# KiCad board tekskey.kicad_pcb (continued)
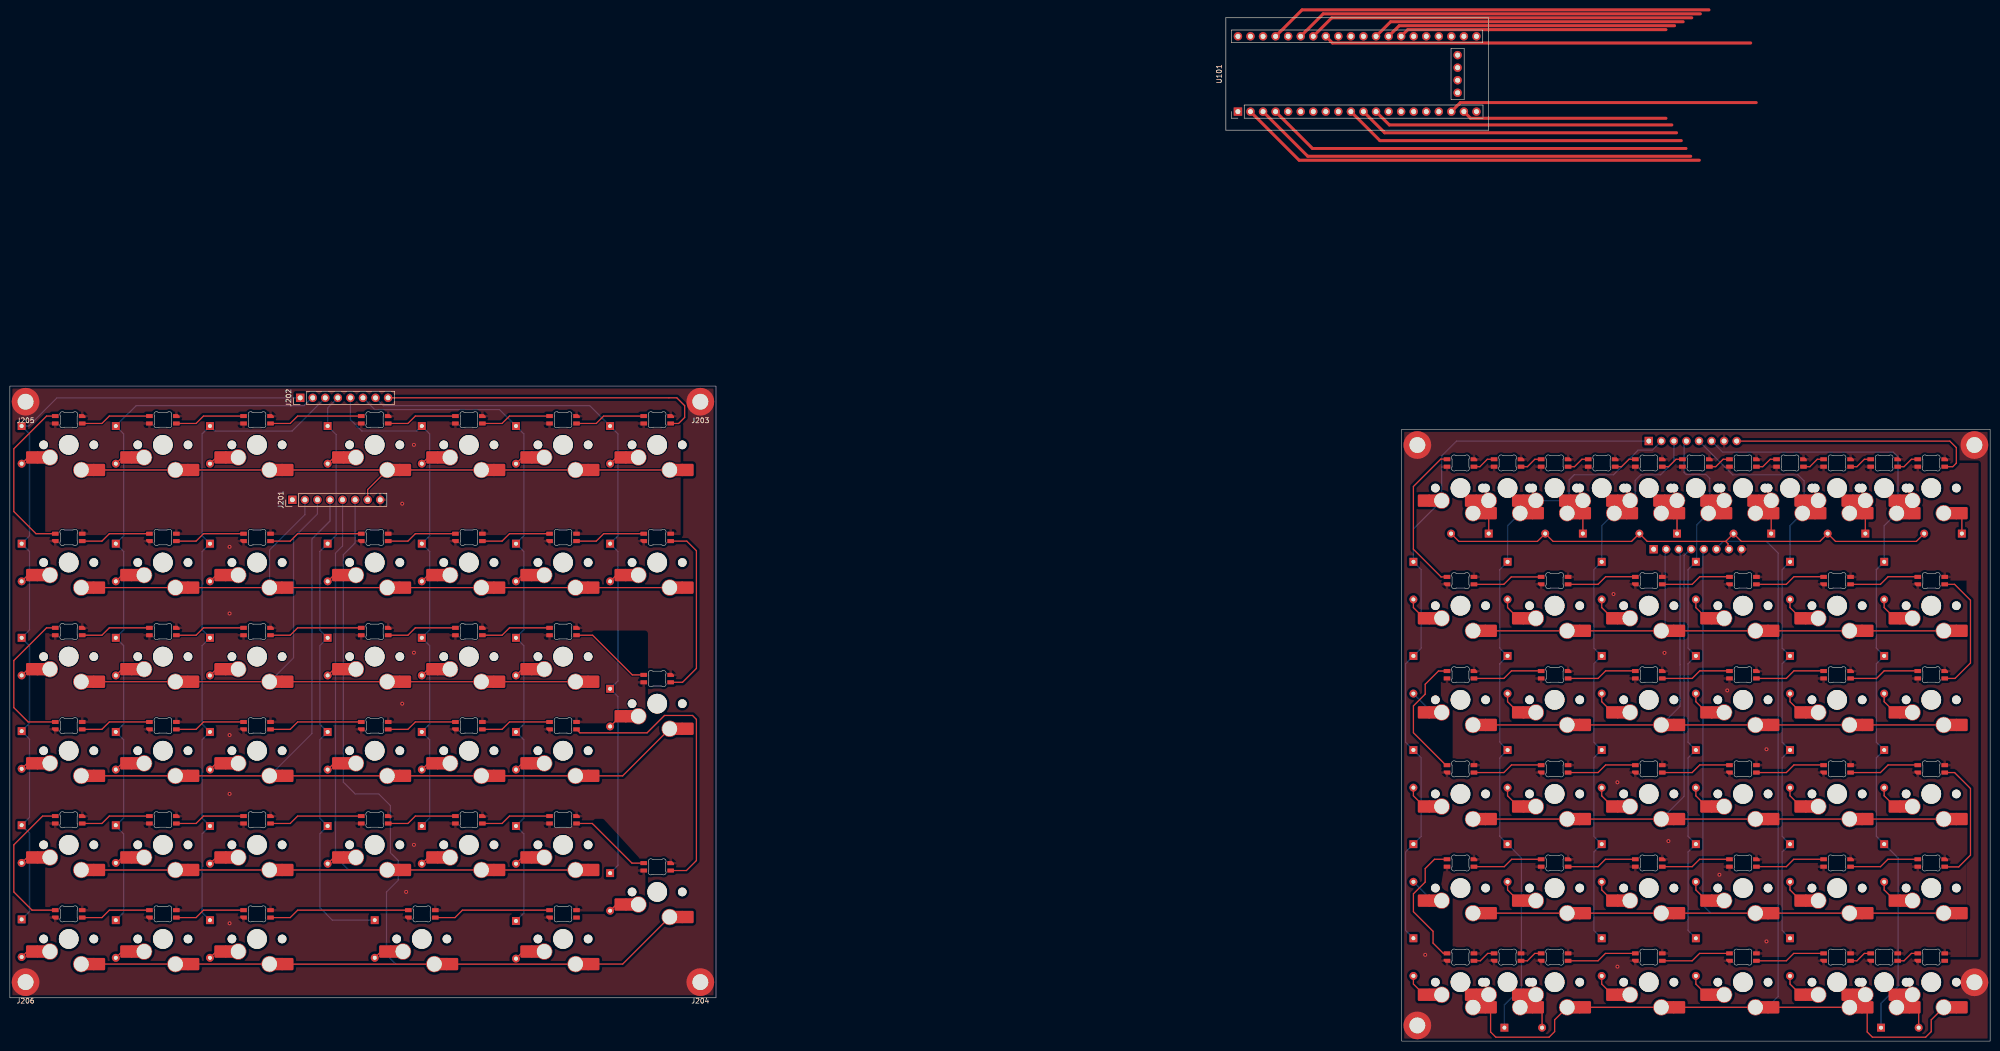
[diagram p0: board, top side]
## Nets
+5V: J102.8 LED0B101.1 LED1B101.1 LED2B101.1 LED3B101.1 LED4B101.1 LED101.1 LED102.1 LED103.1 LED104.1 LED105.1 LED106.1 LED107.1 LED108.1 LED109.1 LED110.1 LED111.1 LED112.1 LED113.1 LED114.1 LED115.1 LED116.1 LED117.1 LED118.1 LED119.1 LED120.1 LED121.1 LED122.1 LED123.1 LED124.1 LED125.1 LED126.1 LED127.1 LED128.1 LED129.1 LED130.1 LED131.1 LED132.1 LED133.1 LED134.1 LED135.1 LED136.1 LED137.1 LED138.1 U101.18 U101.40
+5VA: J201.8 LED201.1 LED202.1 LED203.1 LED204.1 LED205.1 LED206.1 LED207.1 LED208.1 LED209.1 LED210.1 LED211.1 LED212.1 LED213.1 LED214.1 LED215.1 LED216.1 LED217.1 LED218.1 LED219.1 LED220.1 LED221.1 LED222.1 LED223.1 LED224.1 LED225.1 LED226.1 LED227.1 LED229.1 LED230.1 LED231.1 LED232.1 LED233.1 LED234.1 LED235.1 LED236.1 LED237.1 LED238.1 LED239.1 LED241.1
GND: J101.7 J102.1 J103.1 J104.1 J105.1 J106.1 LED0B101.4 LED1B101.4 LED2B101.4 LED3B101.4 LED4B101.4 LED101.4 LED102.4 LED103.4 LED104.4 LED105.4 LED106.4 LED107.4 LED108.4 LED109.4 LED110.4 LED111.4 LED112.4 LED113.4 LED114.4 LED115.4 LED116.4 LED117.4 LED118.4 LED119.4 LED120.4 LED121.4 LED122.4 LED123.4 LED124.4 LED125.4 LED126.4 LED127.4 LED128.4 LED129.4 LED130.4 LED131.4 LED132.4 LED133.4 LED134.4 LED135.4 LED136.4 LED137.4 LED138.4 U101.19 U101.39
GND1: J201.1 J203.1 J204.1 J205.1 J206.1 LED201.4 LED202.4 LED203.4 LED204.4 LED205.4 LED206.4 LED207.4 LED208.4 LED209.4 LED210.4 LED211.4 LED212.4 LED213.4 LED214.4 LED215.4 LED216.4 LED217.4 LED218.4 LED219.4 LED220.4 LED221.4 LED222.4 LED223.4 LED224.4 LED225.4 LED226.4 LED227.4 LED229.4 LED230.4 LED231.4 LED232.4 LED233.4 LED234.4 LED235.4 LED236.4 LED237.4 LED238.4 LED239.4 LED241.4
col0: D107.1 D113.1 D119.1 D125.1 D131.1 J101.1 SW101.1 U101.27
col1: D108.1 D114.1 D120.1 D126.1 D132.1 J101.2 SW1B101.2 SW102.1 U101.28
col2: D109.1 D115.1 D121.1 D127.1 D133.1 J101.3 SW2B101.2 SW103.1 U101.29
col3: D110.1 D116.1 D122.1 D128.1 D134.1 J101.4 SW3B101.2 SW104.1 U101.34
col4: D111.1 D117.1 D123.1 D129.1 D135.1 J101.5 SW4B101.2 SW105.1 U101.35
col5: D112.1 D118.1 D124.1 D130.1 D136.1 J101.6 SW5B101.2 SW106.1 U101.37
LEDIN: J101.8 LED106.3 U101.33
ncol0: D201.1 D208.1 D215.1 D222.1 D229.1 D236.1 J202.1
ncol1: D202.1 D209.1 D216.1 D223.1 D230.1 D237.1 J202.2
ncol2: D203.1 D210.1 D217.1 D224.1 D231.1 D238.1 J202.3
ncol3: D204.1 D211.1 D218.1 D225.1 D232.1 D239.1 J202.4
ncol4: D205.1 D212.1 D219.1 D226.1 D233.1 J202.5
ncol5: D206.1 D213.1 D220.1 D227.1 D234.1 D241.1 J202.6
ncol6: D207.1 D214.1 D221.1 D235.1 J202.7
nLEDIN: J202.8 LED207.3
nrow0: J201.7 SW201.2 SW202.2 SW203.2 SW204.2 SW205.2 SW206.2 SW207.2
nrow1: J201.2 SW208.2 SW209.2 SW210.2 SW211.2 SW212.2 SW213.2 SW214.2
nrow2: J201.3 SW215.2 SW216.2 SW217.2 SW218.2 SW219.2 SW220.2
nrow3: J201.4 SW221.2 SW222.2 SW223.2 SW224.2 SW225.2 SW226.2 SW227.2
nrow4: J201.5 SW229.2 SW230.2 SW231.2 SW232.2 SW233.2 SW234.2
nrow5: J201.6 SW235.2 SW236.2 SW237.2 SW238.2 SW239.2 SW241.2
row0: D101.2 D102.2 D103.2 D104.2 D105.2 D106.2 J102.7 U101.2
row1: J102.2 SW107.2 SW108.2 SW109.2 SW110.2 SW111.2 SW112.2 U101.12
row2: J102.3 SW113.2 SW114.2 SW115.2 SW116.2 SW117.2 SW118.2 U101.11
row3: J102.4 SW119.2 SW120.2 SW121.2 SW122.2 SW123.2 SW124.2 U101.10
row4: J102.5 SW125.2 SW126.2 SW127.2 SW128.2 SW129.2 SW130.2 U101.4
row5: J102.6 SW51B101.1 SW55B101.1 SW131.2 SW132.2 SW133.2 SW134.2 SW135.2 SW136.2 U101.3
Net-(D101-Pad1): D101.1 SW1B101.1 SW101.2
Net-(D102-Pad1): D102.1 SW2B101.1 SW102.2
Net-(D103-Pad1): D103.1 SW3B101.1 SW103.2
Net-(D104-Pad1): D104.1 SW4B101.1 SW104.2
Net-(D105-Pad1): D105.1 SW5B101.1 SW105.2
Net-(D106-Pad1): D106.1 SW106.2
Net-(D107-Pad2): D107.2 SW107.1
Net-(D108-Pad2): D108.2 SW108.1
Net-(D109-Pad2): D109.2 SW109.1
Net-(D110-Pad2): D110.2 SW110.1
Net-(D111-Pad2): D111.2 SW111.1
Net-(D112-Pad2): D112.2 SW112.1
Net-(D113-Pad2): D113.2 SW113.1
Net-(D114-Pad2): D114.2 SW114.1
Net-(D115-Pad2): D115.2 SW115.1
Net-(D116-Pad2): D116.2 SW116.1
Net-(D117-Pad2): D117.2 SW117.1
Net-(D118-Pad2): D118.2 SW118.1
Net-(D119-Pad2): D119.2 SW119.1
Net-(D120-Pad2): D120.2 SW120.1
Net-(D121-Pad2): D121.2 SW121.1
Net-(D122-Pad2): D122.2 SW122.1
Net-(D123-Pad2): D123.2 SW123.1
Net-(D124-Pad2): D124.2 SW124.1
Net-(D125-Pad2): D125.2 SW125.1
Net-(D126-Pad2): D126.2 SW126.1
Net-(D127-Pad2): D127.2 SW127.1
Net-(D128-Pad2): D128.2 SW128.1
Net-(D129-Pad2): D129.2 SW129.1
Net-(D130-Pad2): D130.2 SW130.1
Net-(D131-Pad2): D131.2 SW131.1
Net-(D132-Pad2): D132.2 SW51B101.2 SW132.1
Net-(D133-Pad2): D133.2 SW133.1
Net-(D134-Pad2): D134.2 SW134.1
Net-(D135-Pad2): D135.2 SW135.1
Net-(D136-Pad2): D136.2 SW55B101.2 SW136.1
Net-(D201-Pad2): D201.2 SW201.1
Net-(D202-Pad2): D202.2 SW202.1
Net-(D203-Pad2): D203.2 SW203.1
Net-(D204-Pad2): D204.2 SW204.1
Net-(D205-Pad2): D205.2 SW205.1
Net-(D206-Pad2): D206.2 SW206.1
Net-(D207-Pad2): D207.2 SW207.1
Net-(D208-Pad2): D208.2 SW208.1
Net-(D209-Pad2): D209.2 SW209.1
Net-(D210-Pad2): D210.2 SW210.1
Net-(D211-Pad2): D211.2 SW211.1
Net-(D212-Pad2): D212.2 SW212.1
Net-(D213-Pad2): D213.2 SW213.1
Net-(D214-Pad2): D214.2 SW214.1
Net-(D215-Pad2): D215.2 SW215.1
Net-(D216-Pad2): D216.2 SW216.1
Net-(D217-Pad2): D217.2 SW217.1
Net-(D218-Pad2): D218.2 SW218.1
Net-(D219-Pad2): D219.2 SW219.1
Net-(D220-Pad2): D220.2 SW220.1
Net-(D221-Pad2): D221.2 SW221.1
Net-(D222-Pad2): D222.2 SW222.1
Net-(D223-Pad2): D223.2 SW223.1
Net-(D224-Pad2): D224.2 SW224.1
Net-(D225-Pad2): D225.2 SW225.1
Net-(D226-Pad2): D226.2 SW226.1
Net-(D227-Pad2): D227.2 SW227.1
Net-(D229-Pad2): D229.2 SW229.1
Net-(D230-Pad2): D230.2 SW230.1
Net-(D231-Pad2): D231.2 SW231.1
Net-(D232-Pad2): D232.2 SW232.1
Net-(D233-Pad2): D233.2 SW233.1
Net-(D234-Pad2): D234.2 SW234.1
Net-(D235-Pad2): D235.2 SW235.1
Net-(D236-Pad2): D236.2 SW236.1
Net-(D237-Pad2): D237.2 SW237.1
Net-(D238-Pad2): D238.2 SW238.1
Net-(D239-Pad2): D239.2 SW239.1
Net-(D241-Pad2): D241.2 SW241.1
Net-(LED0B101-Pad2): LED0B101.2 LED101.3
Net-(LED0B101-Pad3): LED0B101.3 LED102.2
Net-(LED101-Pad2): LED101.2 LED107.3
Net-(LED102-Pad3): LED1B101.2 LED102.3
Net-(LED103-Pad2): LED1B101.3 LED103.2
Net-(LED103-Pad3): LED2B101.2 LED103.3
Net-(LED104-Pad2): LED2B101.3 LED104.2
Net-(LED104-Pad3): LED3B101.2 LED104.3
Net-(LED105-Pad2): LED3B101.3 LED105.2
Net-(LED105-Pad3): LED4B101.2 LED105.3
Net-(LED106-Pad2): LED4B101.3 LED106.2
Net-(LED107-Pad2): LED107.2 LED108.3
Net-(LED108-Pad2): LED108.2 LED109.3
Net-(LED109-Pad2): LED109.2 LED110.3
Net-(LED110-Pad2): LED110.2 LED111.3
Net-(LED111-Pad2): LED111.2 LED112.3
Net-(LED112-Pad2): LED112.2 LED118.3
Net-(LED113-Pad2): LED113.2 LED119.3
Net-(LED113-Pad3): LED113.3 LED114.2
Net-(LED114-Pad3): LED114.3 LED115.2
Net-(LED115-Pad3): LED115.3 LED116.2
Net-(LED116-Pad3): LED116.3 LED117.2
Net-(LED117-Pad3): LED117.3 LED118.2
Net-(LED119-Pad2): LED119.2 LED120.3
Net-(LED120-Pad2): LED120.2 LED121.3
Net-(LED121-Pad2): LED121.2 LED122.3
Net-(LED122-Pad2): LED122.2 LED123.3
Net-(LED123-Pad2): LED123.2 LED124.3
Net-(LED124-Pad2): LED124.2 LED130.3
Net-(LED125-Pad2): LED125.2 LED131.3
Net-(LED125-Pad3): LED125.3 LED126.2
Net-(LED126-Pad3): LED126.3 LED127.2
Net-(LED127-Pad3): LED127.3 LED128.2
Net-(LED128-Pad3): LED128.3 LED129.2
Net-(LED129-Pad3): LED129.3 LED130.2
Net-(LED131-Pad2): LED131.2 LED132.3
Net-(LED132-Pad2): LED132.2 LED133.3
Net-(LED133-Pad2): LED133.2 LED134.3
Net-(LED134-Pad2): LED134.2 LED135.3
Net-(LED135-Pad2): LED135.2 LED136.3
Net-(LED136-Pad2): LED136.2 LED137.3
Net-(LED137-Pad2): LED137.2 LED138.3
Net-(LED201-Pad2): LED201.2 LED208.3
Net-(LED201-Pad3): LED201.3 LED202.2
Net-(LED202-Pad3): LED202.3 LED203.2
Net-(LED203-Pad3): LED203.3 LED204.2
Net-(LED204-Pad3): LED204.3 LED205.2
Net-(LED205-Pad3): LED205.3 LED206.2
Net-(LED206-Pad3): LED206.3 LED207.2
Net-(LED208-Pad2): LED208.2 LED209.3
Net-(LED209-Pad2): LED209.2 LED210.3
Net-(LED210-Pad2): LED210.2 LED211.3
Net-(LED211-Pad2): LED211.2 LED212.3
Net-(LED212-Pad2): LED212.2 LED213.3
Net-(LED213-Pad2): LED213.2 LED214.3
Net-(LED214-Pad2): LED214.2 LED221.3
Net-(LED215-Pad2): LED215.2 LED222.3
Net-(LED215-Pad3): LED215.3 LED216.2
Net-(LED216-Pad3): LED216.3 LED217.2
Net-(LED217-Pad3): LED217.3 LED218.2
Net-(LED218-Pad3): LED218.3 LED219.2
Net-(LED219-Pad3): LED219.3 LED220.2
Net-(LED220-Pad3): LED220.3 LED221.2
Net-(LED222-Pad2): LED222.2 LED223.3
Net-(LED223-Pad2): LED223.2 LED224.3
Net-(LED224-Pad2): LED224.2 LED225.3
Net-(LED225-Pad2): LED225.2 LED226.3
Net-(LED226-Pad2): LED226.2 LED227.3
Net-(LED227-Pad2): LED227.2 LED235.3
Net-(LED229-Pad2): LED229.2 LED236.3
Net-(LED229-Pad3): LED229.3 LED230.2
Net-(LED230-Pad3): LED230.3 LED231.2
Net-(LED231-Pad3): LED231.3 LED232.2
Net-(LED232-Pad3): LED232.3 LED233.2
Net-(LED233-Pad3): LED233.3 LED234.2
Net-(LED234-Pad3): LED234.3 LED235.2
Net-(LED236-Pad2): LED236.2 LED237.3
Net-(LED237-Pad2): LED237.2 LED238.3
Net-(LED238-Pad2): LED238.2 LED239.3
Net-(LED239-Pad2): LED239.2 LED241.3

Pads without a net: LED138 2; LED241 2; U101 1 5 6 7 8 9 13 14 15 16 17 20 21 22 23 24 25 26 30 31 32 36 38 41 42 43 44

## Via types
v1: diameter 0.8, hole 0.4, Top to Bottom, 21 vias

## Routing (per net, layer and track width the routed paths; a pad name or vN(x,y) marks a point on that pad's centre or on a via; arc(x,y) is an arc through that point)
+5V: length 62.4
  Top w0.6: U101.18 293.48,189.97 353.33,189.97
  vias: v1(345.89,33.68) v1(347.48,70.98) v1(355.41,59.08) v1(355.41,20.18)
+5VA:
  vias: v1(79.38,108.78) v1(79.38,68.3) v1(80.17,30.2) v1(81.76,120.68) v1(81.76,78.62) v1(81.76,39.72)
GND: length 41.4
  Top w0.6: 335.07,186.79 295.54,186.79 U101.19
  vias: v1(286.36,17.46) v1(324.46,90.49) v1(325.25,52.39) v1(325.25,15.08) v1(334.78,78.58) v1(335.57,40.48)
GND1:
  vias: v1(44.45,100.05) v1(44.45,86.55) v1(44.45,61.95) v1(44.45,50.04) v1(44.45,23.85)
col0: length 202.5
  Top w0.6: 335.07,204.73 282.84,204.73 U101.27
  Bottom w0.25: D131.1 282.39,22.4 282.39,38.28 D125.1 285.56,41.45 285.56,57.33 D119.1 282.39,60.5 282.39,76.38 D113.1 285.56,79.55 285.56,95.43 D107.1 283.98,103.68 289.69,109.4 289.69,118.42 292.71,121.44 331.6,121.44
col1: length 209.9
  Top w0.6: U101.28 281.1,205.53 336.81,205.53
  Top w1: 305.88,109.4 308.42,106.86
  Bottom w0.25: D132.1 302.39,7.32 305.83,10.76 305.83,37.06 D126.1 301.44,41.45 301.44,57.33 D120.1 301.44,60.5 301.44,76.38 D114.1 301.44,79.55 301.44,95.43 D108.1 303.02,104.32 SW1B101.2 308.11,109.4 ; 334.14,121.44 332.3,119.6 329.42,119.6 324.46,114.64 316.52,114.64 315.48,113.6 315.48,110.42 314.46,109.4 SW102.1
col2: length 179.4
  Top w0.6: U101.29 279.36,206.33 338.55,206.33
  Top w1: 327.47,106.86 324.93,109.4
  Bottom w0.25: D133.1 320.49,22.4 320.49,38.28 D127.1 320.49,41.45 320.49,57.33 D121.1 320.49,60.5 320.49,76.38 D115.1 320.49,79.55 320.49,95.43 D109.1 322.07,104.32 SW2B101.2 327.15,109.4 ; 336.68,121.44 336.68,117.34 333.98,114.64 330.01,114.64 328.85,113.48 328.85,110.46
col3: length 195.1
  Top w0.6: 340.29,207.13 267.46,207.13 U101.34
  Top w1: 346.52,106.86 343.98,109.4
  Bottom w0.25: D110.1 339.54,95.43 339.54,79.55 D116.1 339.54,76.38 339.54,60.5 D122.1 339.54,57.33 339.54,41.45 D128.1 339.54,38.28 339.54,22.4 D134.1 ; 345.09,108.29 343.93,109.46 343.93,113.92 343.16,114.68 339.16,114.68 338.75,115.09 338.75,120.97 ; 345.09,108.29 SW3B101.2 341.29,104.49 341.29,97.18 ; 345.09,108.29 346.21,109.4
col4: length 213.1
  Top w0.6: 342.03,207.93 265.72,207.93 U101.35
  Top w1: 365.57,106.86 363.03,109.4
  Bottom w0.25: 341.76,121.44 348.57,114.64 361.76,114.64 363.04,113.36 363.04,107.19 ; D135.1 358.59,22.4 358.59,38.28 D129.1 358.59,41.45 358.59,57.33 D123.1 358.59,60.5 358.59,76.38 D117.1 358.59,79.55 358.59,95.43 D111.1 360.17,104.32 SW4B101.2 365.25,109.4
col5: length 259
  Top w0.6: 343.77,208.73 261.44,208.73 U101.37
  Top w1: 384.62,106.86 382.08,109.4
  Bottom w0.25: 344.3,121.44 346.54,119.2 381.08,119.2 382.02,118.26 382.02,107.12 ; D136.1 378.59,7.64 382.05,11.1 382.05,37.04 D130.1 377.64,41.45 377.64,57.33 D124.1 377.64,60.5 377.64,76.38 D118.1 377.64,79.55 377.64,95.43 D112.1 379.23,104.32 SW5B101.2 384.3,109.4
LEDIN: length 137.3
  Top w0.25: 349.38,121.44 392.51,121.44 393.83,120.12 393.83,116.99 393.11,116.27 LED106.3
  Top w0.6: U101.33 267.6,202.03 352.22,202.03
ncol0: length 165.2
  Bottom w0.25: D236.1 3.97,26.23 3.97,42.1 D229.1 3.97,45.28 3.97,61.15 D222.1 3.97,64.33 3.97,80.04 D215.1 3.97,83.22 3.97,99.09 D208.1 3.97,102.27 3.97,122.91 D201.1 3.81,124.49 9.52,130.21 J202.1
ncol1: length 148.6
  Bottom w0.25: D237.1 23.02,26.07 23.02,41.94 21.43,43.53 23.02,45.12 23.02,60.99 D223.1 23.02,64.17 23.02,80.04 D216.1 23.02,83.22 23.02,99.09 D209.1 23.02,102.27 23.02,122.91 D202.1 25.56,128.62 59.53,128.62 61.12,130.21
ncol2: length 133.1
  Bottom w0.25: D238.1 38.89,26.07 38.89,41.94 D231.1 38.89,45.12 38.89,60.99 D224.1 38.89,64.17 38.89,80.04 D217.1 38.89,83.22 38.89,99.09 D210.1 38.89,102.27 38.89,122.91 D203.1 41.5,123.48 57.08,123.48 J202.3
ncol3: length 122.2
  Bottom w0.25: D239.1 65.25,24.48 62.71,27.02 62.71,41.94 D232.1 62.71,45.12 62.71,60.99 D225.1 62.71,64.17 62.71,80.04 D218.1 62.71,83.22 62.71,99.09 D211.1 66.02,102.41 66.02,122.76 D204.1 64.29,128.15 J202.4
ncol4: length 106.5
  Bottom w0.25: J202.5 68.9,125.8 71.21,123.49 82.34,123.49 D205.1 84.93,122.91 84.93,102.27 D212.1 84.93,99.09 84.93,83.22 D219.1 84.93,80.04 84.93,64.17 D226.1 84.93,60.99 84.93,45.12 D233.1
ncol5: length 140.1
  Bottom w0.25: D241.1 103.98,25.91 103.98,41.94 D234.1 103.98,45.12 103.98,60.99 D227.1 103.98,64.17 103.98,80.04 D220.1 103.98,83.22 103.98,99.09 D213.1 103.98,102.27 103.98,122.91 D206.1 99.06,127.83 73.82,127.83 J202.6
ncol6: length 144.3
  Bottom w0.25: J202.7 75.56,128.62 117.32,128.62 D207.1 123.03,122.91 123.03,102.27 D214.1 123.03,99.09 123.03,72.9 D221.1 123.03,69.73 123.03,35.59 D235.1
nLEDIN: length 66.4
  Top w0.25: LED207.3 135.3,125.01 136.52,126.24 136.52,128.62 134.94,130.21 J202.8
nrow0: length 105.4
  Top w0.25: J201.7 72.39,111.64 SW204.2 SW203.2 ; SW204.2 SW205.2 ; SW205.2 SW206.2 ; SW202.2 SW203.2 ; SW206.2 SW207.2 ; SW201.2 SW202.2
nrow1: length 117.7
  Top w0.25: SW214.2 SW213.2 ; SW209.2 SW208.2 ; SW210.2 SW209.2 ; SW213.2 SW212.2 ; SW212.2 SW211.2 ; SW211.2 SW210.2
  Bottom w0.25: SW210.2 52.55,99.41 59.69,106.56 59.69,108.78
nrow2: length 122.3
  Top w0.25: SW215.2 SW216.2 ; SW219.2 SW220.2 ; SW218.2 SW219.2 ; SW216.2 SW217.2 ; SW217.2 SW218.2
  Bottom w0.25: 62.23,108.78 62.23,106.71 57.39,101.87 57.39,77.58 SW217.2
nrow3: length 161.9
  Top w0.25: SW221.2 123.98,53.69 SW227.2 ; SW227.2 SW226.2 ; SW224.2 SW223.2 ; SW225.2 SW224.2 ; SW223.2 SW222.2 ; SW226.2 SW225.2
  Bottom w0.25: 64.77,108.78 64.77,105.29 61.12,101.63 61.12,62.26 SW224.2
nrow4: length 165.8
  Top w0.25: 18.01,34.63 33.48,34.63 ; 98.97,34.63 114.44,34.63 ; SW232.2 SW233.2 ; SW231.2 SW232.2 ; SW230.2 SW231.2
  Bottom w0.25: 67.31,108.78 67.31,100.21 65.88,98.78 65.88,37.34 68.58,34.64 SW232.2
nrow5: length 216.3
  Top w0.25: SW235.2 123.98,15.59 SW241.2 ; SW236.2 SW237.2 ; 56.11,15.58 85.87,15.58 ; SW237.2 SW238.2 ; 89.45,15.58 114.44,15.58
  Bottom w0.25: 69.85,108.78 69.85,100.84 67.47,98.46 67.47,52.42 69.85,50.04 74.61,50.04 76.99,47.66 76.99,38.13 78.58,36.55 78.58,32.58 76.2,30.2 76.2,17.5 78.11,15.59 SW239.2
row0: length 199
  Top w0.25: 347.16,101.14 D104.2 350.33,101.14 366.21,101.14 D105.2 369.38,101.14 385.73,101.14 D106.2 ; 347.16,101.14 331.28,101.14 D103.2 328.11,101.14 312.23,101.14 D102.2 309.06,101.14 293.18,101.14 D101.2 ; 347.16,101.14 347.63,100.67 347.63,99.56
  Top w0.6: 341.82,178.3 260.86,178.3 U101.2
row1: length 154.2
  Top w0.25: SW110.2 337.69,83.05 ; SW112.2 SW111.2 ; SW109.2 SW108.2 ; SW108.2 SW107.2 ; 372.24,83.05 SW110.2
  Top w0.6: 336.26,185.44 279.11,185.44 U101.12
  Bottom w0.25: 334.93,99.56 334.93,83.84
row2: length 194.7
  Top w0.25: SW113.2 SW114.2 ; SW114.2 SW115.2 ; 337.69,64 SW116.2 ; SW116.2 372.24,64 ; SW117.2 SW118.2
  Top w0.6: 337.21,183.85 278.16,183.85 U101.11
  Bottom w0.25: 337.93,99.1 337.93,76.18 ; 337.93,76.18 337.93,91.6 337.95,91.62 ; 337.93,76.18 337.93,67.79 SW115.2
row3: length 203.8
  Top w0.25: SW124.2 SW123.2 ; SW120.2 SW121.2 ; SW122.2 337.69,44.95 ; SW120.2 SW119.2 ; 372.24,44.95 SW122.2
  Top w0.6: U101.10 277.21,182.27 338.17,182.27
  Bottom w0.25: 340.01,99.56 338.74,98.29 338.74,49.55 SW121.2
row4: length 247
  Top w0.25: SW125.2 SW126.2 ; SW126.2 SW127.2 ; SW128.2 372.24,25.9 ; 337.69,25.9 SW128.2 ; SW129.2 SW130.2
  Top w0.6: U101.4 263.55,180.68 339.12,180.68
  Bottom w0.25: SW128.2 344.14,25.9 342.55,27.48 342.55,99.56
row5: length 308.9
  Top w0.25: 337.69,6.85 SW134.2 ; SW134.2 372.24,6.85 ; SW132.2 312.55,4.31 312.55,1.93 311.42,0.79 300.65,0.79 299.59,1.85 SW131.2 ; SW136.2 388.75,4.31 388.75,1.93 387.62,0.79 376.85,0.79 375.79,1.85 SW135.2 ; SW132.2 SW133.2
  Top w0.6: 340.08,179.1 262.6,179.1 U101.3
  Top w1: 298.9,6.85 297.39,8.35
  Top w2: 375.1,6.85 372.56,9.39
  Bottom w0.25: 345.09,99.56 346.68,101.14 355.41,101.14 357.79,98.76 357.79,9.07 355.57,6.85 SW134.2 ; 372.24,6.85 374.78,9.39 ; SW131.2 298.58,9.39
Net-(D101-Pad1): length 11
  Top w0.25: D101.1 299.22,106.54
  Top w1: 298.9,106.86 296.36,109.4
  Bottom w0.25: SW101.2 298.58,109.4
Net-(D102-Pad1): length 11
  Top w0.25: D102.1 318.26,106.54
  Top w1: 318.26,106.54 316.44,108.37 SW2B101.1
  Bottom w0.25: SW102.2 317.63,109.4
Net-(D103-Pad1): length 11
  Top w0.25: D103.1 337.31,106.54
  Top w1: 337.31,106.54 335.49,108.37 SW3B101.1
  Bottom w0.25: SW103.2 336.68,109.4
Net-(D104-Pad1): length 11
  Top w0.25: D104.1 356.37,106.54
  Top w1: 356.37,106.54 354.54,108.37 SW4B101.1
  Bottom w0.25: SW104.2 355.73,109.4
Net-(D105-Pad1): length 11
  Top w0.25: D105.1 375.41,106.54
  Top w1: 375.41,106.54 373.59,108.37 SW5B101.1
  Bottom w0.25: 372.24,106.86 374.78,109.4
Net-(D106-Pad1): length 4
  Top w0.25: D106.1 394.94,106.76
Net-(D107-Pad2): length 4.7
  Top w0.25: D107.2 283.98,87.75 SW107.1
Net-(D108-Pad2): length 4.7
  Top w0.25: SW108.1 303.02,87.75 D108.2
Net-(D109-Pad2): length 4.7
  Top w0.25: SW109.1 322.07,87.75 D109.2
Net-(D110-Pad2): length 4.7
  Top w0.25: SW110.1 341.12,87.75 D110.2
Net-(D111-Pad2): length 4.7
  Top w0.25: 362.34,85.59 360.17,87.75 D111.2
Net-(D112-Pad2): length 4.7
  Top w0.25: SW112.1 379.23,87.75 D112.2
Net-(D113-Pad2): length 7.3
  Bottom w0.25: D113.2 287.78,66.54 289.69,66.54
Net-(D114-Pad2): length 4.7
  Top w0.25: D114.2 303.02,68.7 SW114.1
Net-(D115-Pad2): length 4.7
  Top w0.25: SW115.1 322.07,68.7 D115.2
Net-(D116-Pad2): length 4.7
  Top w0.25: D116.2 341.12,68.7 SW116.1
Net-(D117-Pad2): length 4.7
  Top w0.25: 362.34,66.54 360.17,68.7 D117.2
Net-(D118-Pad2): length 4.7
  Top w0.25: SW118.1 379.23,68.7 D118.2
Net-(D119-Pad2): length 4.7
  Top w0.25: D119.2 283.98,49.65 SW119.1
Net-(D120-Pad2): length 4.7
  Top w0.25: SW120.1 303.02,49.65 D120.2
Net-(D121-Pad2): length 4.7
  Top w0.25: SW121.1 322.07,49.65 D121.2
Net-(D122-Pad2): length 4.7
  Top w0.25: SW122.1 341.12,49.65 D122.2
Net-(D123-Pad2): length 4.7
  Top w0.25: D123.2 360.17,49.65 362.34,47.49
Net-(D124-Pad2): length 4.7
  Top w0.25: SW124.1 379.23,49.65 D124.2
Net-(D125-Pad2): length 7.3
  Bottom w0.25: D125.2 287.78,28.44 289.69,28.44
Net-(D126-Pad2): length 4.7
  Top w0.25: SW126.1 303.02,30.6 D126.2
Net-(D127-Pad2): length 4.7
  Top w0.25: SW127.1 322.07,30.6 D127.2
Net-(D128-Pad2): length 4.7
  Top w0.25: SW128.1 341.12,30.6 D128.2
Net-(D129-Pad2): length 4.7
  Top w0.25: D129.2 360.17,30.6 362.34,28.44
Net-(D130-Pad2): length 4.7
  Top w0.25: SW130.1 379.23,30.6 D130.2
Net-(D131-Pad2): length 4.7
  Top w0.25: D131.2 283.98,11.55 SW131.1
Net-(D132-Pad2): length 9
  Top w0.25: 310.01,5.95 D132.2
  Top w1: 308.42,6.85 306.91,8.35
  Bottom w0.25: SW51B101.2 308.11,9.39
Net-(D133-Pad2): length 4.7
  Top w0.25: D133.2 322.07,11.55 SW133.1
Net-(D134-Pad2): length 4.7
  Top w0.25: D134.2 341.12,11.55 SW134.1
Net-(D135-Pad2): length 4.7
  Top w0.25: D135.2 360.17,11.55 362.34,9.39
Net-(D136-Pad2): length 10.4
  Top w0.25: 386.21,5.95 D136.2
  Top w1: 384.62,6.85 382.08,9.39
  Bottom w0.25: SW55B101.2 384.3,9.39
Net-(D201-Pad2): length 1.8
  Top w0.25: D201.2 3.65,118.14
Net-(D202-Pad2): length 1.8
  Top w0.25: D202.2 22.7,118.14
Net-(D203-Pad2): length 1.8
  Top w0.25: D203.2 41.75,118.14
Net-(D204-Pad2): length 1.8
  Top w0.25: D204.2 65.56,118.14
Net-(D205-Pad2): length 1.8
  Top w0.25: D205.2 84.61,118.14
Net-(D206-Pad2): length 1.8
  Top w0.25: D206.2 103.66,118.14
Net-(D207-Pad2): length 1.8
  Top w0.25: D207.2 122.71,118.14
Net-(D208-Pad2): length 1.8
  Top w0.25: D208.2 3.65,94.33
Net-(D209-Pad2): length 1.8
  Top w0.25: D209.2 22.7,94.33
Net-(D210-Pad2): length 1.8
  Top w0.25: D210.2 41.75,94.33
Net-(D211-Pad2): length 1.8
  Top w0.25: D211.2 65.56,94.33
Net-(D212-Pad2): length 1.8
  Top w0.25: D212.2 84.61,94.33
Net-(D213-Pad2): length 1.8
  Top w0.25: D213.2 103.66,94.33
Net-(D214-Pad2): length 2.7
  Top w0.25: SW214.1 122.71,94.33 D214.2
Net-(D215-Pad2): length 1.8
  Top w0.25: D215.2 3.65,75.28
Net-(D216-Pad2): length 1.8
  Top w0.25: D216.2 22.7,75.28
Net-(D217-Pad2): length 1.8
  Top w0.25: D217.2 41.75,75.28
Net-(D218-Pad2): length 1.8
  Top w0.25: D218.2 65.56,75.28
Net-(D219-Pad2): length 1.8
  Top w0.25: D219.2 84.61,75.28
Net-(D220-Pad2): length 1.8
  Top w0.25: D220.2 103.66,75.28
Net-(D221-Pad2): length 1.8
  Top w0.25: D221.2 122.71,64.96
Net-(D222-Pad2): length 1.6
  Top w0.25: D222.2 3.49,56.23
Net-(D223-Pad2): length 1.8
  Top w0.25: D223.2 22.7,56.23
Net-(D224-Pad2): length 1.8
  Top w0.25: D224.2 41.75,56.23
Net-(D225-Pad2): length 1.8
  Top w0.25: D225.2 65.56,56.23
Net-(D226-Pad2): length 1.8
  Top w0.25: D226.2 84.61,56.23
Net-(D227-Pad2): length 1.8
  Top w0.25: D227.2 103.66,56.23
Net-(D229-Pad2): length 1.6
  Top w0.25: D229.2 3.49,37.18
Net-(D230-Pad2): length 1.8
  Top w0.25: 21.43,35.91 22.7,37.18
Net-(D231-Pad2): length 1.8
  Top w0.25: D231.2 41.75,37.18
Net-(D232-Pad2): length 1.8
  Top w0.25: D232.2 65.56,37.18
Net-(D233-Pad2): length 1.8
  Top w0.25: D233.2 84.61,37.18
Net-(D234-Pad2): length 1.8
  Top w0.25: D234.2 103.66,37.18
Net-(D235-Pad2): length 1.8
  Top w0.25: D235.2 122.71,27.66
Net-(D236-Pad2): length 1.6
  Top w0.25: D236.2 3.49,18.13
Net-(D237-Pad2): length 1.8
  Top w0.25: D237.2 22.7,18.13
Net-(D238-Pad2): length 1.8
  Top w0.25: D238.2 41.75,18.13
Net-(D239-Pad2): length 1.8
  Top w0.25: D239.2 75.09,18.13
Net-(D241-Pad2): length 2
  Top w0.25: D241.2 103.82,18.13
Net-(LED0B101-Pad2): length 4.7
  Top w0.25: LED0B101.2 298.92,117.77 297.42,116.27 LED101.3
Net-(LED0B101-Pad3): length 4.7
  Top w0.25: LED0B101.3 307.04,116.27 308.54,117.77 LED102.2
Net-(LED101-Pad2): length 30.9
  Top w0.25: LED107.3 289.57,93.96 283.98,99.56 283.98,112.26 289.53,117.81 290.73,117.81
Net-(LED102-Pad3): length 4.7
  Top w0.25: LED102.3 316.56,116.27 318.06,117.77 LED1B101.2
Net-(LED103-Pad2): length 4.7
  Top w0.25: LED103.2 327.59,117.77 326.09,116.27 LED1B101.3
Net-(LED103-Pad3): length 4.7
  Top w0.25: LED103.3 335.61,116.27 337.11,117.77 LED2B101.2
Net-(LED104-Pad2): length 4.7
  Top w0.25: LED104.2 346.64,117.77 345.14,116.27 LED2B101.3
Net-(LED104-Pad3): length 4.7
  Top w0.25: LED104.3 354.66,116.27 356.16,117.77 LED3B101.2
Net-(LED105-Pad2): length 4.7
  Top w0.25: LED3B101.3 364.19,116.27 365.69,117.77 LED105.2
Net-(LED105-Pad3): length 4.7
  Top w0.25: LED4B101.2 375.21,117.77 373.71,116.27 LED105.3
Net-(LED106-Pad2): length 4.7
  Top w0.25: 381.95,116.27 383.24,116.27 384.74,117.77 LED106.2
Net-(LED107-Pad2): length 14.2
  Top w0.25: LED108.3 303.77,93.96 302.27,92.46 LED107.2
Net-(LED108-Pad2): length 14.2
  Top w0.25: LED108.2 321.32,92.46 322.87,94 328.83,94
Net-(LED109-Pad2): length 14.2
  Top w0.25: 347.88,94 341.92,94 340.38,92.46 LED109.2
Net-(LED110-Pad2): length 14.2
  Top w0.25: 366.93,94 360.97,94 359.42,92.46 LED110.2
Net-(LED111-Pad2): length 14.2
  Top w0.25: LED111.2 378.48,92.46 380.02,94 385.98,94
Net-(LED112-Pad2): length 25.8
  Top w0.25: LED112.2 393.47,92.46 396.69,89.24 396.69,76.54 393.56,73.41 LED118.3
Net-(LED113-Pad2): length 25.6
  Top w0.25: 290.54,55.86 283.98,62.42 283.98,67.85 286.36,70.23 286.36,72.23 289.04,74.91 LED113.2
Net-(LED113-Pad3): length 14.2
  Top w0.25: LED113.3 302.27,73.41 303.82,74.95 309.78,74.95
Net-(LED114-Pad3): length 14.2
  Top w0.25: LED114.3 321.32,73.41 322.87,74.95 328.83,74.95
Net-(LED115-Pad3): length 14.2
  Top w0.25: LED115.3 340.38,73.41 341.92,74.95 347.88,74.95
Net-(LED116-Pad3): length 14.2
  Top w0.25: LED116.3 359.42,73.41 360.97,74.95 366.93,74.95
Net-(LED117-Pad3): length 14.2
  Top w0.25: LED117.3 377.68,73.41 379.23,74.95 385.98,74.95
Net-(LED119-Pad2): length 14.2
  Top w0.25: 309.78,55.9 303.82,55.9 302.27,54.36 LED119.2
Net-(LED120-Pad2): length 14.2
  Top w0.25: 328.83,55.9 322.87,55.9 321.32,54.36 LED120.2
Net-(LED121-Pad2): length 14.2
  Top w0.25: LED121.2 340.38,54.36 341.92,55.9 347.88,55.9
Net-(LED122-Pad2): length 14.2
  Top w0.25: 366.93,55.9 360.97,55.9 359.42,54.36 LED122.2
Net-(LED123-Pad2): length 14.2
  Top w0.25: 385.98,55.9 380.02,55.9 378.48,54.36 LED123.2
Net-(LED124-Pad2): length 26.2
  Top w0.25: 391.52,35.26 394.31,35.26 396.69,37.64 396.69,51.14 393.47,54.36 LED124.2
Net-(LED125-Pad2): length 26.6
  Top w0.25: LED125.2 288.24,36.81 286.36,34.93 286.36,32.2 283.98,29.82 283.98,26.19 287.95,22.23 287.95,19.84 290.04,17.76 LED131.3
Net-(LED125-Pad3): length 14.2
  Top w0.25: LED125.3 302.36,35.31 303.86,36.81 LED126.2
Net-(LED126-Pad3): length 14.2
  Top w0.25: LED126.3 321.32,35.31 322.82,36.81 LED127.2
Net-(LED127-Pad3): length 14.2
  Top w0.25: LED127.3 340.38,35.31 341.88,36.81 LED128.2
Net-(LED128-Pad3): length 14.2
  Top w0.25: LED128.3 359.42,35.31 360.92,36.81 LED129.2
Net-(LED129-Pad3): length 14.2
  Top w0.25: LED130.2 379.98,36.81 378.48,35.31 LED129.3
Net-(LED131-Pad2): length 4.7
  Top w0.25: LED132.3 299.01,17.76 297.51,16.26 LED131.2
Net-(LED132-Pad2): length 4.7
  Top w0.25: LED133.3 308.54,17.76 307.04,16.26 LED132.2
Net-(LED133-Pad2): length 14.2
  Top w0.25: LED133.2 321.32,16.26 322.82,17.76 LED134.3
Net-(LED134-Pad2): length 14.2
  Top w0.25: LED135.3 341.88,17.76 340.38,16.26 LED134.2
Net-(LED135-Pad2): length 14.2
  Top w0.25: LED135.2 359.42,16.26 360.92,17.76 LED136.3
Net-(LED136-Pad2): length 4.7
  Top w0.25: LED137.3 375.21,17.76 373.71,16.26 LED136.2
Net-(LED137-Pad2): length 4.7
  Top w0.25: 381.95,16.26 383.24,16.26 384.74,17.76 LED138.3
Net-(LED201-Pad2): length 34.1
  Top w0.25: LED208.3 5.28,102.7 0.79,107.19 0.79,119.89 7.42,126.51 LED201.2
Net-(LED201-Pad3): length 14.2
  Top w0.25: LED202.2 20.12,126.51 18.62,125.01 LED201.3
Net-(LED202-Pad3): length 14.2
  Top w0.25: LED202.3 37.67,125.01 39.17,126.51 LED203.2
Net-(LED203-Pad3): length 19
  Top w0.25: LED204.2 58.22,126.51 56.72,125.01 LED203.3
Net-(LED204-Pad3): length 14.2
  Top w0.25: LED204.3 80.53,125.01 82.03,126.51 LED205.2
Net-(LED205-Pad3): length 14.2
  Top w0.25: LED205.3 99.58,125.01 101.08,126.51 LED206.2
Net-(LED206-Pad3): length 14.2
  Top w0.25: LED206.3 118.63,125.01 120.13,126.51 LED207.2
Net-(LED208-Pad2): length 14.2
  Top w0.25: LED209.3 20.12,102.7 18.62,101.2 LED208.2
Net-(LED209-Pad2): length 14.2
  Top w0.25: LED209.2 37.67,101.2 39.17,102.7 LED210.3
Net-(LED210-Pad2): length 19
  Top w0.25: LED210.2 56.72,101.2 58.22,102.7 LED211.3
Net-(LED211-Pad2): length 14.2
  Top w0.25: LED212.3 82.03,102.7 80.53,101.2 LED211.2
Net-(LED212-Pad2): length 14.2
  Top w0.25: LED213.3 101.08,102.7 99.58,101.2 LED212.2
Net-(LED213-Pad2): length 14.2
  Top w0.25: LED214.3 120.13,102.7 118.63,101.2 LED213.2
Net-(LED214-Pad2): length 36.2
  Top w0.25: LED221.3 136.09,72.63 138.91,75.44 138.91,99.25 136.96,101.2 LED214.2
Net-(LED215-Pad2): length 30.2
  Top w0.25: LED215.2 7.42,83.65 0.79,77.03 0.79,67.5 3.69,64.6 LED222.3
Net-(LED215-Pad3): length 14.2
  Top w0.25: LED215.3 18.62,82.15 20.12,83.65 LED216.2
Net-(LED216-Pad3): length 14.2
  Top w0.25: LED216.3 37.67,82.15 39.17,83.65 LED217.2
Net-(LED217-Pad3): length 19
  Top w0.25: LED218.2 58.22,83.65 56.72,82.15 LED217.3
Net-(LED218-Pad3): length 14.2
  Top w0.25: LED219.2 82.03,83.65 80.53,82.15 LED218.3
Net-(LED219-Pad3): length 14.2
  Top w0.25: LED220.2 101.08,83.65 99.58,82.15 LED219.3
Net-(LED220-Pad3): length 16.9
  Top w0.25: LED220.3 117.91,82.15 125.93,74.13 LED221.2
Net-(LED222-Pad2): length 14.2
  Top w0.25: LED223.3 20.12,64.6 18.62,63.1 LED222.2
Net-(LED223-Pad2): length 14.2
  Top w0.25: LED224.3 39.17,64.6 37.67,63.1 LED223.2
Net-(LED224-Pad2): length 19
  Top w0.25: LED224.2 56.72,63.1 58.22,64.6 LED225.3
Net-(LED225-Pad2): length 14.2
  Top w0.25: LED225.2 80.53,63.1 82.03,64.6 LED226.3
Net-(LED226-Pad2): length 14.2
  Top w0.25: LED227.3 101.08,64.6 99.58,63.1 LED226.2
Net-(LED227-Pad2): length 61
  Top w0.25: LED227.2 115.35,62.4 128.93,62.4 132.45,65.92 138.11,65.92 138.91,65.12 138.91,36.55 136.89,34.53 LED235.3
Net-(LED229-Pad2): length 30.2
  Top w0.25: LED236.3 4.49,26.5 0.79,30.2 0.79,39.72 6.62,45.55 LED229.2
Net-(LED229-Pad3): length 14.2
  Top w0.25: LED229.3 18.62,44.05 20.12,45.55 LED230.2
Net-(LED230-Pad3): length 14.2
  Top w0.25: LED231.2 39.17,45.55 37.67,44.05 LED230.3
Net-(LED231-Pad3): length 19
  Top w0.25: LED232.2 58.22,45.55 56.72,44.05 LED231.3
Net-(LED232-Pad3): length 14.2
  Top w0.25: LED232.3 80.53,44.05 82.03,45.55 LED233.2
Net-(LED233-Pad3): length 14.2
  Top w0.25: LED233.3 99.58,44.05 101.08,45.55 LED234.2
Net-(LED234-Pad3): length 16.9
  Top w0.25: LED235.2 125.86,36.03 117.84,44.05 LED234.3
Net-(LED236-Pad2): length 14.2
  Top w0.25: LED237.3 20.12,26.5 18.62,25 LED236.2
Net-(LED237-Pad2): length 14.2
  Top w0.25: LED237.2 37.67,25 39.17,26.5 LED238.3
Net-(LED238-Pad2): length 28.5
  Top w0.25: LED239.3 58.22,26.5 56.72,25 LED238.2
Net-(LED239-Pad2): length 23.7
  Top w0.25: LED239.2 90.05,25 91.55,26.5 LED241.3

## Copper pours and planes (outline as drawn; the poured copper is in the pictures)
+5V on Top: 395.89,55.11 291.91,55.11 291.91,67.01 289.53,69.39 289.53,74.16 395.89,74.16
+5V on Top: 398.28,93.21 290.32,93.21 283.98,99.56 283.98,112.26 288.74,117.02 398.28,117.02
+5V on Top: 396.69,51.14 393.51,54.31 393.51,73.36 396.69,76.54
+5V on Top: 398.28,17.01 395.89,17.01 395.89,117.02 398.28,117.02
+5V on Top: 395.89,17.01 291.91,17.01 291.91,28.91 289.53,31.29 290.32,36.06 395.89,36.06
+5V on Bottom: 357.79,17.8 352.24,17.8 352.24,26.53 342.71,26.53 342.71,101.14 357.79,101.14
+5VA on Top: 135.73,102.43 7.14,102.43 7.14,125.45 135.73,125.45
+5VA on Top: 128.59,34.96 128.59,26.23 7.14,26.23 7.14,44.48 119.86,44.48
+5VA on Top: 128.59,64.33 7.14,64.33 7.14,82.58 128.59,82.58
+5VA on Top: 115.09,41.31 108.74,41.31 108.74,43.69 115.09,43.69
+5VA on Bottom: 84.14,22.26 75.41,22.26 75.41,123.86 84.93,123.86
GND on Top: 400.66,123.82 400.66,0 281.6,0 281.6,123.82
GND on Bottom: 400.66,0 281.6,0 281.6,123.82 400.66,123.82
GND1 on Top, Bottom: 142.88,8.77 0,8.77 0,132.59 142.88,132.59
GND1 on Bottom: 48.42,22.26 41.27,22.26 41.27,122.27 48.42,122.27
